# Altium PCB TEBF0808ASCII.PcbDoc (part 5 of 10) (continued)
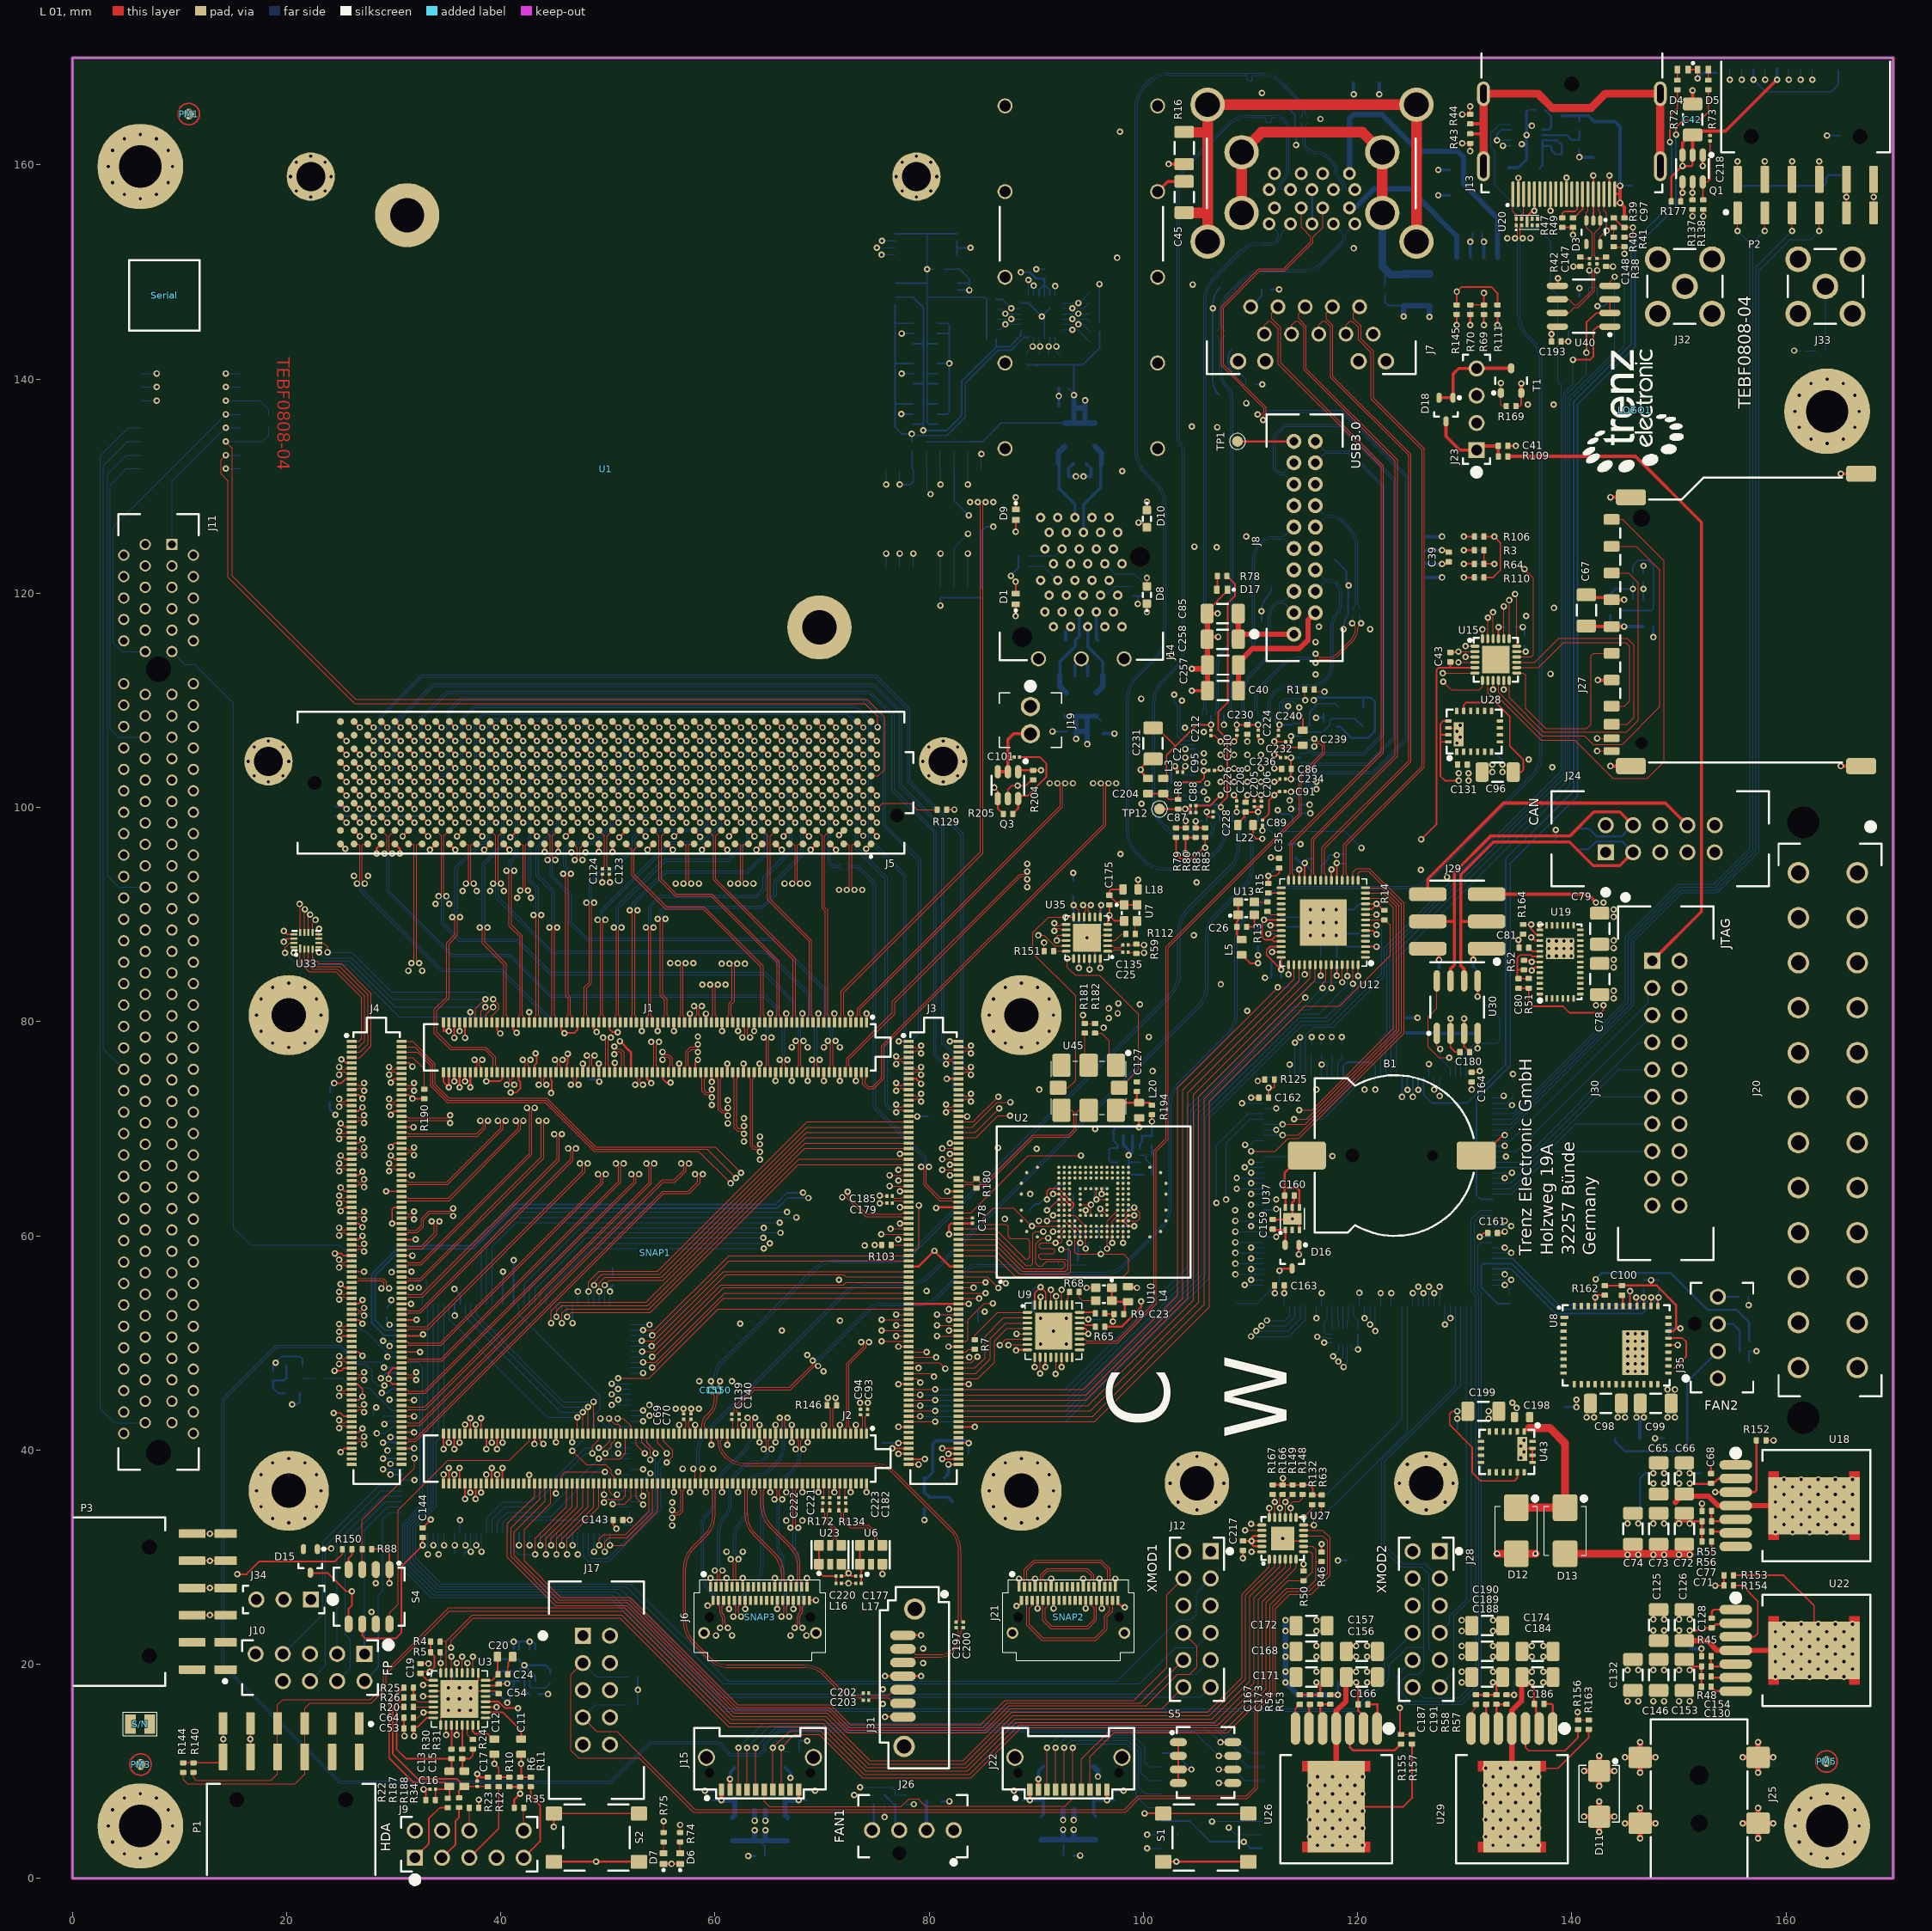
[diagram p0: L 01 view]
## Nets (pads, with @x,y where several pads share a name; then routed paths per layer and width w, separated by ;. In a path a pad name is that pad's centre, name@x,y a point inside that pad or via, vN(x,y) a via of type N, cw(c..) or ccw(c..) an arc to the next point about the centre after c; other vN are vias at no path point) (continued)
B66_L14_P: J1.148 J5.K16 | length 50.2
  L 01 w0.1: v1(37.545,76.43) 37.795,76.18 37.795,75.923 37.655,75.783 J1.148@37.655,75.268
  L 01 w0.2: J5.K16@55.516,108.015 v1(56.065,107.466)
  L 12 S w0.08: v1(37.545,76.43) 37.805,76.69 37.805,86.995 37.3,87.5 37.15,87.65 37.15,90.233 38.3,91.383 38.3,93.6 39.8,95.1 40.9,95.1 42.1,96.3 42.1,97.183 43.017,98.1 51.217,98.1 51.52,98.403 51.52,102.703 51.917,103.1 53.8,103.1 54,103.3 54,107.9 54.36,108.26 55.223,108.26 55.53,107.952 55.53,107.6 55.665,107.466 v1(56.065,107.466)
B66_L15_N: J1.136 J5.E19 | length 39
  L 01 w0.1: v1(40.545,74.106) 40.795,74.356 40.795,74.613 40.655,74.753 J1.136@40.655,75.268
  L 01 w0.2: J5.E19@51.706,101.665 v1(52.255,101.116)
  L 12 S w0.08: v1(40.545,74.106) 40.805,74.366 40.805,92.788 42.8,94.783 42.8,95.811 43.689,96.7 51.534,96.7 52.79,97.956 52.79,100.581 v1(52.255,101.116)
B66_L15_P: J1.134 J5.E18 | length 39
  L 01 w0.1: J1.134@41.155,75.268 41.155,74.753 41.015,74.613 41.015,74.356 v1(41.265,74.106)
  L 01 w0.2: J5.E18@52.976,101.665 v1(53.525,101.116)
  L 12 S w0.08: v1(41.265,74.106) 41.005,74.366 41.005,92.705 43,94.7 43,95.728 43.772,96.5 51.617,96.5 52.99,97.873 52.99,100.581 v1(53.525,101.116)
B66_L16_N: J1.122 J5.F13 | length 40
  L 01 w0.1: J1.122@44.155,75.268 44.155,74.753 44.015,74.613 44.015,74.356 v1(44.265,74.106)
  L 01 w0.2: J5.F13@59.326,102.935 v1(59.875,102.386)
  L 12 S w0.08: v1(44.265,74.106) 44.005,74.366 44.005,86.305 47,89.3 47,90.917 48.033,91.95 51.183,91.95 55.833,96.6 56.583,96.6 57.783,97.8 58.983,97.8 59.34,98.158 59.34,101.851 v1(59.875,102.386)
B66_L16_P: J1.124 J5.F14 | length 40
  L 01 w0.1: v1(43.545,74.106) 43.795,74.356 43.795,74.613 43.655,74.753 J1.124@43.655,75.268
  L 01 w0.2: J5.F14@58.056,102.935 v1(58.605,102.386)
  L 12 S w0.08: v1(43.545,74.106) 43.805,74.366 43.805,86.388 46.8,89.383 46.8,91 47.95,92.15 51.1,92.15 55.75,96.8 56.5,96.8 57.7,98 58.9,98 59.14,98.24 59.14,101.851 v1(58.605,102.386)
B66_L17_N: J1.107 J5.K14 | length 37.3
  L 01 w0.1: J1.107@47.655,79.938 47.655,80.453 47.795,80.593 47.795,83.206 48.25,83.661 48.25,90.85 v1(48,91.1)
  L 01 w0.2: J5.K14@58.056,108.015 v1(58.605,107.466)
  L 16 w0.1: v1(48,91.1) 48.25,91.35 48.25,93.05 49.411,94.211 50.302,94.211 52.3,96.209 52.3,97.2 53.12,98.02 58.72,98.02 59.13,98.43 59.13,106.941 v1(58.605,107.466)
B66_L17_P: J1.105 J5.K13 | length 37.3
  L 01 w0.1: J1.105@48.155,79.938 48.155,80.453 48.015,80.593 48.015,83.115 48.47,83.57 48.47,90.85 v1(48.72,91.1)
  L 01 w0.2: J5.K13@59.326,108.015 v1(59.875,107.466)
  L 16 w0.1: v1(48.72,91.1) 48.47,91.35 48.47,92.959 49.502,93.991 50.393,93.991 52.52,96.118 52.52,97.109 53.211,97.8 58.811,97.8 59.35,98.339 59.35,106.941 v1(59.875,107.466)
B66_L18_N: J1.131 J5.K20 | length 39.1
  L 01 w0.1: v1(40.53,94.1) 40.78,93.85 40.78,88.92 41.795,87.905 41.795,80.593 41.655,80.453 J1.131@41.655,79.938
  L 01 w0.2: J5.K20@50.436,108.015 v1(50.985,107.466)
  L 16 w0.1: v1(40.53,94.1) 40.78,94.35 40.78,94.98 41.38,95.58 41.38,103.891 41.889,104.4 51.2,104.4 51.51,104.71 51.51,106.941 v1(50.985,107.466)
B66_L18_P: J1.129 J5.K19 | length 39.1
  L 01 w0.1: v1(41.25,94.1) 41,93.85 41,89.011 42.015,87.996 42.015,80.593 42.155,80.453 J1.129@42.155,79.938
  L 01 w0.2: J5.K19@51.706,108.015 v1(52.255,107.466)
  L 16 w0.1: v1(41.25,94.1) 41,94.35 41,94.889 41.6,95.489 41.6,103.8 41.98,104.18 51.291,104.18 51.73,104.619 51.73,106.941 v1(52.255,107.466)
B66_L19_N: J1.123 J5.J18 | length 37.6
  L 01 w0.1: 43.515,89.65 43.515,80.593 43.655,80.453 J1.123@43.655,79.938 ; 43.515,89.7 v1(43.765,89.95)
  L 01 w0.2: J5.J18@52.976,106.745 v1(53.525,106.196)
  L 16 w0.1: 43.515,90.15 43.515,90.2 ; v1(43.765,89.95) 43.515,90.2 ; v1(53.525,106.196) 53,105.671 53,103.289 52.611,102.9 43.149,102.9 42.82,102.571 42.82,93.18 43.515,92.485 43.515,90.2
B66_L19_P: J1.125 J5.J19 | length 37.6
  L 01 w0.1: v1(43.045,89.95) 43.295,89.7 ; J1.125@43.155,79.938 43.155,80.453 43.295,80.593 43.295,89.65
  L 01 w0.2: J5.J19@51.706,106.745 v1(52.255,106.196)
  L 16 w0.1: v1(43.045,89.95) 43.295,90.2 ; 43.295,90.15 43.295,90.2 ; v1(52.255,106.196) 52.78,105.671 52.78,103.38 52.52,103.12 43.058,103.12 42.6,102.662 42.6,93.089 43.295,92.394 43.295,90.2
B66_L20_N: J1.111 J5.E15 | length 31.6
  L 01 w0.1: v1(46.55,93.8) 46.3,93.55 46.3,82.461 46.515,82.246 46.515,80.593 46.655,80.453 J1.111@46.655,79.938
  L 01 w0.2: J5.E15@56.786,101.665 v1(57.335,101.116)
  L 16 w0.1: v1(46.55,93.8) 46.3,94.05 46.3,94.411 46.1,94.611 46.1,96.059 46.641,96.6 48.811,96.6 50.5,98.289 50.5,98.789 50.791,99.08 56.38,99.08 56.81,99.51 56.81,100.591 v1(57.335,101.116)
B66_L20_P: J1.113 J5.E16 | length 31.6
  L 01 w0.1: v1(45.83,93.8) 46.08,93.55 46.08,82.37 46.295,82.155 46.295,80.593 46.155,80.453 J1.113@46.155,79.938
  L 01 w0.2: J5.E16@55.516,101.665 v1(56.065,101.116)
  L 16 w0.1: v1(45.83,93.8) 46.08,94.05 46.08,94.32 45.88,94.52 45.88,96.15 46.55,96.82 48.72,96.82 50.28,98.38 50.28,98.88 50.7,99.3 56.289,99.3 56.59,99.602 56.59,100.591 v1(56.065,101.116)
B66_L21_N: J1.104 J5.E9 | length 34.3
  L 01 w0.1: J1.104@48.655,75.268 48.655,75.783 48.515,75.923 48.515,76.58 v1(48.765,76.83)
  L 01 w0.2: J5.E9@64.406,101.665 v1(64.955,101.116)
  L 12 S w0.08: v1(48.765,76.83) 48.505,77.09 48.505,81.523 60.017,93.034 60.017,93.717 62.9,96.6 63.983,96.6 64.42,97.038 64.42,100.581 v1(64.955,101.116)
B66_L21_P: J1.106 J5.E10 | length 34.3
  L 01 w0.1: v1(48.045,76.83) 48.295,76.58 48.295,75.923 48.155,75.783 J1.106@48.155,75.268
  L 01 w0.2: J5.E10@63.136,101.665 v1(63.685,101.116)
  L 12 S w0.08: v1(48.045,76.83) 48.305,77.09 48.305,81.605 59.817,93.117 59.817,93.8 62.817,96.8 63.9,96.8 64.22,97.12 64.22,100.581 v1(63.685,101.116)
B66_L22_N: J1.117 J5.J15 | length 40
  L 01 w0.1: J1.117@45.155,79.938 45.155,80.453 45.015,80.593 45.015,88.55 v1(45.265,88.8)
  L 01 w0.2: J5.J15@56.786,106.745 v1(57.335,106.196)
  L 16 w0.1: v1(45.265,88.8) 45.015,89.05 45.015,92.196 43.52,93.691 43.52,96.22 45.42,98.12 45.42,101.42 45.68,101.68 56.491,101.68 56.81,101.999 56.81,105.671 v1(57.335,106.196)
B66_L22_P: J1.119 J5.J16 | length 40
  L 01 w0.1: v1(44.545,88.8) 44.795,88.55 44.795,80.593 44.655,80.453 J1.119@44.655,79.938
  L 01 w0.2: J5.J16@55.516,106.745 v1(56.065,106.196)
  L 16 w0.1: v1(44.545,88.8) 44.795,89.05 44.795,92.105 43.3,93.6 43.3,96.311 45.2,98.211 45.2,101.511 45.589,101.9 56.4,101.9 56.59,102.09 56.59,105.671 v1(56.065,106.196)
B66_L23_N: J1.110 J5.F10 | length 39
  L 01 w0.1: J1.110@47.155,75.268 47.155,74.753 47.015,74.613 47.015,74.356 v1(47.265,74.106)
  L 01 w0.2: J5.F10@63.136,102.935 v1(63.685,102.386)
  L 12 S w0.08: v1(47.265,74.106) 47.005,74.366 47.005,83.223 54.8,91.017 54.8,92.4 56.3,93.9 58,93.9 60.7,96.6 61.772,96.6 63.15,97.979 63.15,101.851 v1(63.685,102.386)
B66_L23_P: J1.112 J5.F11 | length 39
  L 01 w0.1: v1(46.545,74.106) 46.795,74.356 46.795,74.613 46.655,74.753 J1.112@46.655,75.268
  L 01 w0.2: J5.F11@61.866,102.935 v1(62.415,102.386)
  L 12 S w0.08: v1(46.545,74.106) 46.805,74.366 46.805,83.305 54.6,91.1 54.6,92.483 56.217,94.1 57.917,94.1 60.617,96.8 61.689,96.8 62.95,98.062 62.95,101.851 v1(62.415,102.386)
B66_L24_N: J1.80 J5.F19 | length 31.4
  L 01 w0.1: J1.80@54.655,75.268 54.655,75.783 54.515,75.923 54.515,77.853 v1(54.765,78.103)
  L 01 w0.2: J5.F19@51.706,102.935 v1(52.255,102.386)
  L 14 S w0.08: v1(52.255,102.386) 51.72,101.851 51.72,98.062 52.8,96.983 52.8,94.183 56.2,90.783 56.2,88.997 53.995,86.793 53.995,79.166 54.505,78.656 54.505,78.363 v1(54.765,78.103)
B66_L24_P: J1.82 J5.F20 | length 31.4
  L 01 w0.1: v1(54.045,78.103) 54.295,77.853 54.295,75.923 54.155,75.783 J1.82@54.155,75.268
  L 01 w0.2: J5.F20@50.436,102.935 v1(50.985,102.386)
  L 14 S w0.08: v1(50.985,102.386) 51.52,101.851 51.52,97.98 52.6,96.9 52.6,94.1 56,90.7 56,89.08 53.795,86.875 53.795,79.083 54.305,78.573 54.305,78.363 v1(54.045,78.103)
B66_T0: J1.147 U33.5 | length 20.3
  L 01 w0.1: v1(23.025,86.475) U33.5@23.025,86.95 ; J1.147@37.655,79.938 37.655,81.205 v1(38.55,82.1)
  L 16 w0.1: v1(23.025,86.475) 23.55,85.95 26.075,85.95 29.925,82.1 v1(38.55,82.1)
B66_T1: J1.145 U33.16 | length 22.1
  L 01 w0.1: v1(20.675,86.425) U33.16@20.675,86.95 ; J1.145@38.155,79.938 38.155,80.955 v1(38.55,81.35)
  L 16 w0.1: v1(20.675,86.425) 21.45,85.65 25.825,85.65 30.125,81.35 v1(38.55,81.35)
B66_T2: J1.143 U33.15 | length 25.5
  L 01 w0.1: v1(19.85,86.425) 19.85,86.914 20.286,87.35 U33.15@20.675,87.35 ; J1.143@38.655,79.938 38.655,80.705 v1(39.3,81.35)
  L 16 w0.1: v1(19.85,86.425) 20.95,85.325 25.625,85.325 30.511,80.439 38.389,80.439 v1(39.3,81.35)
B66_T3: J1.141 U33.6 | length 21.4
  L 01 w0.1: U33.6@23.025,87.35 23.45,87.35 23.825,86.975 v1(23.825,86.475) ; J1.141@39.155,79.938 39.155,80.505 39.8,81.15 39.8,81.6 v1(39.3,82.1)
  L 16 w0.1: v1(23.825,86.475) 26.125,86.475 29.825,82.775 38.625,82.775 v1(39.3,82.1)
B128_RX0_N: J2.46 J6.A15 | length 11
  L 01 w0.1: J2.46@63.155,36.868 63.155,36.353 63.015,36.213 63.015,34.012 ccw(c65.555,34.012) 63.759,32.216 65.701,30.274 cw(c63.905,28.478) 66.445,28.478 66.445,27.84 66.585,27.7 J6.A15@66.585,27.225
B128_RX0_P: J2.48 J6.A14 | length 10.9
  L 01 w0.1: J2.48@62.655,36.868 62.655,36.353 62.795,36.213 62.795,34.012 ccw(c65.555,34.012) 63.604,32.06 65.417,30.247 cw(c63.465,28.296) 66.225,28.296 66.225,27.84 66.085,27.7 J6.A14@66.085,27.225
B128_RX1_N: J2.40 J6.A18 | length 11
  L 01 w0.1: J2.40@64.655,36.868 64.655,36.353 64.515,36.213 64.515,34.853 ccw(c67.275,34.853) 65.324,32.901 67.201,31.024 cw(c65.405,29.228) 67.945,29.228 67.945,27.84 68.085,27.7 J6.A18@68.085,27.225
B128_RX1_P: J2.42 J6.A17 | length 11
  L 01 w0.1: J2.42@64.155,36.868 64.155,36.353 64.295,36.213 64.295,34.671 ccw(c66.835,34.671) 65.039,32.875 66.917,30.997 cw(c64.965,29.046) 67.725,29.046 67.725,27.84 67.585,27.7 J6.A17@67.585,27.225
B128_RX2_N: J2.34 J6.B15 | length 14.5
  L 01 w0.1: J2.34@66.155,36.868 66.155,36.353 66.015,36.213 66.015,35.825 ccw(c66.438,35.825) 66.139,35.526 v1(66.265,35.4) ; J6.B15@66.815,25.975 66.815,25.5 66.675,25.36 66.675,24.875 ccw(c67.097,24.875) 66.799,24.576 v1(66.925,24.45)
  L 16 w0.1: v1(66.265,35.4) ccw(c66.869,34.796) 66.015,34.796 66.015,30.846 ccw(c66.646,30.846) 66.2,30.4 cw(c65.609,29.809) 66.445,29.809 66.445,27.677 ccw(c66.652,27.677) 66.506,27.531 cw(c66.096,27.121) 66.675,27.121 66.675,25.054 ccw(c67.529,25.054) v1(66.925,24.45)
B128_RX2_P: J2.36 J6.B14 | length 14.5
  L 01 w0.1: v1(65.545,35.4) 65.672,35.526 ccw(c65.373,35.825) 65.795,35.825 65.795,36.213 65.655,36.353 J2.36@65.655,36.868 ; v1(66.205,24.45) 66.331,24.576 ccw(c66.033,24.875) 66.455,24.875 66.455,25.36 66.315,25.5 J6.B14@66.315,25.975
  L 16 w0.1: v1(65.545,35.4) cw(c64.942,34.796) 65.795,34.796 65.795,30.846 ccw(c66.646,30.846) 66.044,30.244 cw(c65.609,29.809) 66.225,29.809 66.225,27.677 ccw(c66.652,27.677) 66.35,27.375 cw(c66.096,27.121) 66.455,27.121 66.455,25.054 cw(c65.601,25.054) v1(66.205,24.45)
B128_RX3_N: J2.28 J6.B18 | length 16.9
  L 01 w0.1: J2.28@67.655,36.868 67.655,36.353 67.515,36.213 67.515,33 v1(67.765,32.75) ; 67.9,24.248 67.9,23.775 ccw(c68.202,23.775) 67.988,23.562 v1(68.15,23.4) ; 67.9,24.25 67.9,24.365 cw(c68.26,24.365) 68.006,24.619 ccw(c67.597,25.028) 68.175,25.028 68.175,25.36 68.315,25.5 J6.B18@68.315,25.975
  L 16 w0.1: v1(67.765,32.75) ccw(c68.369,32.146) 67.515,32.146 67.515,30.775 ccw(c67.975,30.775) 67.65,30.45 cw(c66.938,29.738) 67.945,29.738 67.945,27.218 ccw(c68.493,27.218) 68.106,26.831 cw(c67.709,26.434) 68.27,26.434 68.27,25.27 cw(c67.519,25.27) 68.05,24.739 ccw(c68.412,24.377) 67.9,24.377 67.9,24.004 ccw(c68.754,24.004) v1(68.15,23.4)
B128_RX3_P: J2.30 J6.B17 | length 16.9
  L 01 w0.1: v1(67.045,32.75) 67.295,33 67.295,36.213 67.155,36.353 J2.30@67.155,36.868 ; v1(67.43,23.4) 67.592,23.562 ccw(c67.378,23.775) 67.68,23.775 67.68,24.248 ; 67.68,24.25 67.68,24.365 cw(c68.26,24.365) 67.85,24.775 ccw(c67.597,25.028) 67.955,25.028 67.955,25.36 67.815,25.5 J6.B17@67.815,25.975
  L 16 w0.1: v1(67.045,32.75) cw(c66.442,32.146) 67.295,32.146 67.295,30.775 ccw(c67.975,30.775) 67.494,30.294 cw(c66.938,29.738) 67.725,29.738 67.725,27.218 ccw(c68.493,27.218) 67.95,26.675 cw(c67.709,26.434) 68.05,26.434 68.05,25.27 cw(c67.519,25.27) 67.894,24.894 ccw(c68.412,24.377) 67.68,24.377 67.68,24.004 cw(c66.826,24.004) v1(67.43,23.4)
B128_TX0_N: J2.43 J6.B3 | length 26.4
  L 01 w0.1: J6.B3@60.815,25.975 60.815,25.5 60.675,25.36 60.675,24.856 ccw(c60.931,24.856) 60.75,24.675 cw(c60.279,24.204) 60.945,24.204 60.945,24.175 ; 60.95,24.175 60.95,23.85 ccw(c61.433,23.85) 61.091,23.509 v1(61.2,23.4) ; J2.43@63.655,41.538 63.655,42.053 63.515,42.193 63.515,42.756 v1(63.765,43.006)
  L 16 w0.1: v1(61.2,23.4) 61.091,23.509 cw(c61.433,23.85) 60.95,23.85 60.95,24.232 ccw(c60.457,24.232) 60.806,24.581 cw(c61.121,24.896) 60.675,24.896 60.675,25.108 ccw(c58.857,25.108) 60.142,26.394 59.649,26.887 cw(c61.337,28.575) 58.95,28.575 58.95,33.17 cw(c59.806,33.17) 59.201,33.775 59.595,34.169 ccw(c58.579,35.185) 60.015,35.185 60.015,35.957 cw(c62.543,35.957) 60.756,37.744 62.707,39.696 ccw(c60.755,41.647) 63.515,41.647 63.515,42.675 cw(c63.71,42.675) 63.572,42.813 v1(63.765,43.006)
B128_TX0_P: J2.45 J6.B2 | length 26.4
  L 01 w0.1: J6.B2@60.315,25.975 60.315,25.5 60.455,25.36 60.455,24.856 ccw(c60.931,24.856) 60.594,24.519 cw(c60.279,24.204) 60.725,24.204 60.725,24.175 ; v1(60.48,23.4) 60.589,23.509 ccw(c60.247,23.85) 60.73,23.85 60.73,24.204 ; v1(63.045,43.006) 63.295,42.756 63.295,42.193 63.155,42.053 J2.45@63.155,41.538
  L 16 w0.1: v1(60.48,23.4) 60.589,23.509 ccw(c60.247,23.85) 60.73,23.85 60.73,24.232 ccw(c60.457,24.232) 60.65,24.425 cw(c61.121,24.896) 60.455,24.896 60.455,25.108 ccw(c58.857,25.108) 59.987,26.238 59.494,26.731 cw(c61.337,28.575) 58.73,28.575 58.73,33.17 cw(c59.806,33.17) 59.045,33.931 59.439,34.325 ccw(c58.579,35.185) 59.795,35.185 59.795,35.957 cw(c62.543,35.957) 60.6,37.9 62.551,39.851 ccw(c60.755,41.647) 63.295,41.647 63.295,42.675 ccw(c63.1,42.675) 63.238,42.813 v1(63.045,43.006)
B128_TX1_N: J2.37 J6.A3 | length 17
  L 01 w0.1: v1@60.551,28.606 ccw(c60.807,28.35) 60.445,28.35 60.445,27.84 60.585,27.7 J6.A3@60.585,27.225 ; v1@60.551,28.606 v1(60.695,28.75) ; J2.37@65.155,41.538 65.155,41.023 65.015,40.883 65.015,40.32 v1(65.265,40.07)
  L 16 w0.1: v1(60.695,28.75) 60.675,28.77 cw(c61.23,29.325) 60.445,29.325 60.445,32.366 cw(c62.359,32.366) 61.006,33.719 ccw(c59.752,34.973) 61.525,34.973 61.525,36.365 cw(c63.419,36.365) 62.08,37.705 62.65,38.275 cw(c63.869,37.056) 63.869,38.78 63.9,38.78 ccw(c63.9,39.905) 64.696,39.11 64.831,39.244 ccw(c64.384,39.691) 65.015,39.691 65.015,39.725 cw(c65.245,39.725) 65.083,39.887 v1(65.265,40.07)
B128_TX1_P: J2.39 J6.A2 | length 17
  L 01 w0.1: v1(59.975,28.75) v1@60.119,28.606 ; J6.A2@60.085,27.225 60.085,27.7 60.225,27.84 60.225,28.35 ccw(c59.863,28.35) v1@60.119,28.606 ; v1(64.545,40.07) 64.795,40.32 64.795,40.883 64.655,41.023 J2.39@64.655,41.538
  L 16 w0.1: v1(59.975,28.75) 59.995,28.77 ccw(c59.44,29.325) 60.225,29.325 60.225,32.366 cw(c62.359,32.366) 60.85,33.875 ccw(c59.752,34.973) 61.305,34.973 61.305,36.365 cw(c63.419,36.365) 61.924,37.86 62.495,38.431 cw(c63.869,37.056) 63.869,39 63.9,39 ccw(c63.9,39.905) 64.54,39.265 64.675,39.4 ccw(c64.384,39.691) 64.795,39.691 64.795,39.725 ccw(c64.566,39.725) 64.728,39.887 v1(64.545,40.07)
B128_TX2_N: J2.31 J6.A6 | length 19.8
  L 01 w0.1: v1@62.033,29.638 ccw(c62.247,29.425) 61.945,29.425 61.945,27.84 62.085,27.7 J6.A6@62.085,27.225 ; v1@62.033,29.638 v1(62.195,29.8) ; J2.31@66.655,41.538 66.655,42.053 66.515,42.193 66.515,42.756 v1(66.765,43.006)
  L 16 w0.1: v1(62.195,29.8) 62.104,29.891 cw(c62.488,30.275) 61.945,30.275 61.945,31.876 cw(c63.774,31.876) 62.481,33.169 ccw(c61.189,34.461) 63.015,34.461 63.015,36.355 cw(c64.248,36.355) 63.376,37.226 63.432,37.282 cw(c64.2,36.514) 64.2,37.6 ccw(c64.2,38.774) 65.03,37.944 65.881,38.794 ccw(c64.348,40.327) 66.515,40.327 66.515,42.575 cw(c66.952,42.575) 66.643,42.883 v1(66.765,43.006)
B128_TX2_P: J2.33 J6.A5 | length 19.8
  L 01 w0.1: v1(61.475,29.8) 61.637,29.638 cw(c61.423,29.425) 61.725,29.425 61.725,27.84 61.585,27.7 J6.A5@61.585,27.225 ; v1(66.045,43.006) 66.295,42.756 66.295,42.193 66.155,42.053 J2.33@66.155,41.538
  L 16 w0.1: v1(61.475,29.8) 61.566,29.891 ccw(c61.182,30.275) 61.725,30.275 61.725,31.876 cw(c63.774,31.876) 62.325,33.325 ccw(c61.189,34.461) 62.795,34.461 62.795,36.355 cw(c64.248,36.355) 63.221,37.382 63.276,37.437 cw(c64.2,36.514) 64.2,37.82 ccw(c64.2,38.774) 64.874,38.099 65.725,38.95 ccw(c64.348,40.327) 66.295,40.327 66.295,42.575 ccw(c65.859,42.575) 66.168,42.883 v1(66.045,43.006)
B128_TX3_N: J2.25 J6.B6 | length 21.8
  L 01 w0.1: J6.B6@62.315,25.975 62.315,25.5 62.175,25.36 62.175,24.925 ccw(c62.718,24.925) 62.334,24.541 v1(62.425,24.45) ; J2.25@68.155,41.538 68.155,41.023 68.015,40.883 68.015,40.32 v1(68.265,40.07)
  L 16 w0.1: v1(62.425,24.45) 62.246,24.629 cw(c62.416,24.8) 62.175,24.8 62.175,25.386 cw(c63.114,25.386) 62.45,26.05 63.707,27.307 ccw(c61.755,29.259) 64.515,29.259 64.515,36.1 cw(c65.277,36.1) 64.738,36.638 64.9,36.8 cw(c65.335,36.365) 65.335,36.98 65.725,36.98 ccw(c65.725,38.286) 66.649,37.363 67.347,38.06 ccw(c65.732,39.675) 68.015,39.675 cw(c68.365,39.675) 68.118,39.923 v1(68.265,40.07)
B128_TX3_P: J2.27 J6.B5 | length 21.8
  L 01 w0.1: v1(61.705,24.45) 61.796,24.541 ccw(c61.412,24.925) 61.955,24.925 61.955,25.36 61.815,25.5 J6.B5@61.815,25.975 ; v1(67.545,40.07) 67.795,40.32 67.795,40.883 67.655,41.023 J2.27@67.655,41.538
  L 16 w0.1: v1(61.705,24.45) 61.884,24.629 ccw(c61.714,24.8) 61.955,24.8 61.955,25.386 cw(c63.114,25.386) 62.294,26.206 63.551,27.463 ccw(c61.755,29.259) 64.295,29.259 64.295,36.1 cw(c65.277,36.1) 64.583,36.794 64.744,36.956 cw(c65.335,36.365) 65.335,37.2 65.725,37.2 ccw(c65.725,38.286) 66.493,37.518 67.191,38.216 ccw(c65.732,39.675) 67.795,39.675 ccw(c67.445,39.675) 67.693,39.923 v1(67.545,40.07)
B228_CLK0_N: C121.1 J3.60 | length 37.4
  L 01 w0.1: v1(79.975,66.45) 79.725,66.2 79.725,64.85 81.062,63.513 82.085,63.513 82.225,63.653 J3.60@82.74,63.653
  L 16 w0.1: C121.1@72.302,94.826 72.517,94.611 73.339,94.611 75.01,92.94 75.01,72.026 79.725,67.311 79.725,66.7 v1(79.975,66.45)
B228_CLK0_P: C122.1 J3.62 | length 37.4
  L 01 w0.1: v1(79.255,66.45) 79.505,66.2 79.505,64.759 80.971,63.293 82.085,63.293 82.225,63.153 J3.62@82.74,63.153
  L 16 w0.1: C122.1@72.302,94.176 72.517,94.391 72.65,94.391 72.651,94.39 73.249,94.39 74.79,92.849 74.79,71.935 79.505,67.22 79.505,66.7 v1(79.255,66.45)
B228_RX0_N: J1.71 J5.C7 | length 27.7
  L 01 w0.1: v1(56.545,85.45) 56.795,85.2 56.795,80.593 56.655,80.453 J1.71@56.655,79.938
  L 01 w0.2: J5.C7@66.946,99.125 v1(67.495,98.576)
  L 14 S w0.08: v1(56.545,85.45) 56.805,85.71 56.805,86.105 60,89.3 60,92.7 61.3,94 66.6,94 68.022,95.422 68.022,98.049 v1(67.495,98.576) v1@67.487,98.584
B228_RX0_P: J1.69 J5.C6 | length 27.7
  L 01 w0.1: J1.69@57.155,79.938 57.155,80.453 57.015,80.593 57.015,85.2 v1(57.265,85.45)
  L 01 w0.2: J5.C6@68.216,99.125 v1(68.765,98.576)
  L 14 S w0.08: v1(57.265,85.45) 57.005,85.71 57.005,86.023 60.2,89.217 60.2,92.617 61.383,93.8 66.683,93.8 68.222,95.339 68.222,98.049 v1@68.757,98.584
B228_RX1_N: J1.65 J5.A3 | length 26.3
  L 01 w0.1: v1(58.045,81.45) 58.295,81.2 58.295,80.593 58.155,80.453 J1.65@58.155,79.938 ; J5.A3@72.026,96.585 72.416,96.585 72.551,96.45 72.551,92.55 v1(72.301,92.3)
  L 14 S w0.08: v1(58.045,81.45) 58.305,81.71 58.305,81.988 58.717,82.4 63.5,82.4 72.561,91.461 72.561,92.04 v1(72.301,92.3)
B228_RX1_P: J1.63 J5.A2 | length 26.7
  L 01 w0.1: J1.63@58.655,79.938 58.655,80.453 58.515,80.593 58.515,81.2 v1(58.765,81.45) ; 72.935,96.585 J5.A2@73.296,96.585 72.885,96.585 72.771,96.471 72.771,92.55 v1(73.021,92.3)
  L 14 S w0.08: v1(58.765,81.45) 58.505,81.71 58.505,81.905 58.8,82.2 63.583,82.2 72.761,91.378 72.761,92.04 v1(73.021,92.3)
B228_RX2_N: J1.59 J5.A7 | length 22.5
  L 01 w0.1: v1(59.545,83.45) 59.795,83.2 59.795,80.593 59.655,80.453 J1.59@59.655,79.938 ; J5.A7@66.946,96.585 67.336,96.585 67.471,96.45 67.471,93.15 v1(67.221,92.9)
  L 14 S w0.08: v1(59.545,83.45) 59.805,83.71 59.805,84.088 60.217,84.5 63.167,84.5 67.481,88.814 67.481,92.64 v1(67.221,92.9)
B228_RX2_P: J1.57 J5.A6 | length 22.5
  L 01 w0.1: J1.57@60.155,79.938 60.155,80.453 60.015,80.593 60.015,83.2 v1(60.265,83.45) ; v1(67.941,92.9) 67.691,93.15 67.691,96.45 67.826,96.585 J5.A6@68.216,96.585
  L 14 S w0.08: v1(60.265,83.45) 60.005,83.71 60.005,84.005 60.3,84.3 63.25,84.3 67.681,88.731 67.681,92.64 v1(67.941,92.9)
B228_RX3_N: J1.53 J5.A11 | length 18
  L 01 w0.1: J1.53@61.155,79.938 61.155,80.453 61.295,80.593 61.295,81.695 61.595,81.995 61.595,85.153 v1(61.345,85.403) ; J5.A11@61.866,96.585 62.256,96.585 62.391,96.45 62.391,93.15 v1(62.141,92.9)
  L 14 S w0.08: v1(61.345,85.403) 61.605,85.663 61.605,87.155 62.4,87.95 62.4,92.64 ; v1(62.141,92.9) 62.401,92.64
B228_RX3_P: J1.51 J5.A10 | length 18
  L 01 w0.1: J1.51@61.655,79.938 61.655,80.453 61.515,80.593 61.515,81.604 61.815,81.904 61.815,85.153 v1(62.065,85.403) ; v1(62.861,92.9) 62.611,93.15 62.611,96.45 62.746,96.585 J5.A10@63.136,96.585
  L 14 S w0.08: v1(62.065,85.403) 61.805,85.663 61.805,87.073 62.6,87.867 62.6,92.64 ; 62.601,92.64 v1(62.861,92.9)
B228_TX0_N: J1.70 J5.C3 | length 36.8
  L 01 w0.1: J1.70@57.155,75.268 57.155,75.783 57.295,75.923 57.295,77.206 57.709,77.62 58.15,77.62 v1(58.4,77.87)
  L 01 w0.2: J5.C3@72.026,99.125 v1(72.575,98.576)
  L 14 S w0.08: v1(58.4,77.87) 58.66,77.61 65.71,77.61 68.75,80.65 68.75,83.293 74.3,88.843 74.3,93.9 73.11,95.09 73.11,98.041 v1(72.575,98.576)
B228_TX0_P: J1.68 J5.C2 | length 36.8
  L 01 w0.1: J1.68@57.655,75.268 57.655,75.783 57.515,75.923 57.515,77.115 57.8,77.4 58.15,77.4 v1(58.4,77.15)
  L 01 w0.2: J5.C2@73.296,99.125 v1(73.845,98.576)
  L 14 S w0.08: v1(58.4,77.15) 58.66,77.41 65.793,77.41 68.95,80.567 68.95,83.21 74.5,88.76 74.5,93.983 73.31,95.172 73.31,98.041 v1(73.845,98.576)
B228_TX1_N: J1.64 J5.A23 | length 36.7
  L 01 w0.1: J5.A23@46.626,96.585 46.676,96.535 46.816,96.535 47.151,96.2 47.151,95.35 v1(46.901,95.1) ; J1.64@58.655,75.268 58.655,74.753 58.795,74.613 58.795,73.494 59.109,73.18 59.45,73.18 v1(59.7,72.93)
  L 14 S w0.08: v1(46.901,95.1) 47.161,94.84 47.161,90.264 47.9,89.525 47.9,78.75 49.825,76.825 49.825,75.495 52.13,73.19 52.31,73.19 ; 52.227,73.19 59.44,73.19 v1(59.7,72.93)
B228_TX1_P: J1.62 J5.A22 | length 36.7
  L 01 w0.1: v1(47.621,95.1) 47.371,95.35 47.371,96.2 47.706,96.535 47.846,96.535 J5.A22@47.896,96.585 ; J1.62@59.155,75.268 59.155,74.753 59.015,74.613 59.015,73.585 59.2,73.4 59.45,73.4 v1(59.7,73.65)
  L 14 S w0.08: v1(47.621,95.1) 47.361,94.84 47.361,90.347 48.1,89.608 48.1,81.3 48.1,81.176 48.393,80.883 48.393,80.585 48.1,80.292 48.1,79.85 48.1,78.833 50.025,76.908 50.025,75.578 52.213,73.39 52.31,73.39 57.55,73.39 57.644,73.39 57.74,73.486 57.74,73.66 57.836,73.756 58.028,73.756 58.124,73.66 58.124,73.486 58.22,73.39 58.508,73.39 58.7,73.39 59.44,73.39 v1(59.7,73.65)
B228_TX2_N: J1.58 J5.A27 | length 44.5
  L 01 w0.1: J5.A27@41.546,96.585 41.936,96.585 42.071,96.45 42.071,92.5 v1(41.821,92.25) ; J1.58@60.155,75.268 60.155,74.753 60.295,74.613 60.295,71.794 60.609,71.48 60.95,71.48 v1(61.2,71.23)
  L 14 S w0.08: v1(41.821,92.25) 42.081,91.99 42.081,89.019 46.805,84.295 46.805,75.612 50.927,71.49 60.94,71.49 v1(61.2,71.23)
B228_TX2_P: J1.56 J5.A26 | length 44.5
  L 01 w0.1: v1(42.541,92.25) 42.291,92.5 42.291,96.45 42.426,96.585 J5.A26@42.816,96.585 ; J1.56@60.655,75.268 60.655,74.753 60.515,74.613 60.515,71.885 60.7,71.7 60.95,71.7 v1(61.2,71.95)
  L 14 S w0.08: v1(42.541,92.25) 42.281,91.99 42.281,89.102 47.005,84.377 47.005,78.05 47.005,77.994 47.073,77.926 47.248,77.751 47.248,77.517 47.073,77.342 47.005,77.274 47.005,77.05 47.005,75.695 51.01,71.69 57.65,71.69 57.865,71.69 58.169,71.69 58.299,71.82 58.299,71.953 58.429,72.083 58.603,72.083 58.733,71.953 58.733,71.82 58.863,71.69 58.95,71.69 60.94,71.69 v1(61.2,71.95)
B228_TX3_N: J1.52 J5.A31 | length 52.2
  L 01 w0.1: J5.A31@36.466,96.585 36.856,96.585 36.991,96.45 36.991,93.15 v1(36.741,92.9) ; J1.52@61.655,75.268 61.655,74.753 61.795,74.613 61.795,70.094 62.109,69.78 62.45,69.78 v1(62.7,69.53)
  L 14 S w0.08: v1(36.741,92.9) 37.001,92.64 37.001,85.274 44.1,78.175 44.1,75.35 49.66,69.79 62.44,69.79 v1(62.7,69.53)
B228_TX3_P: J1.50 J5.A30 | length 52
  L 01 w0.1: v1(37.461,92.9) 37.211,93.15 37.211,96.45 37.346,96.585 J5.A30@37.736,96.585 ; J1.50@62.155,75.268 62.155,74.753 62.015,74.613 62.015,70.185 62.2,70 62.45,70 v1(62.7,70.25)
  L 14 S w0.08: v1(37.461,92.9) 37.201,92.64 37.201,85.357 44.3,78.258 44.3,75.433 44.433,75.3 44.509,75.223 44.994,75.223 45.17,75.048 45.17,74.563 45.5,74.233 49.743,69.99 58.9,69.99 59.049,69.99 59.342,70.283 59.59,70.283 59.883,69.99 60.3,69.99 62.44,69.99 v1(62.7,70.25)
B229_CLK0_N: C123.1 J3.65 | length 49.7
  L 01 w0.1: C123.1@50.13,93.76 50.13,93.055 v1(50.185,93) v1@50.185,93.21 ; v1(72.389,64.114) 72.389,63.761 74.137,62.013 77.415,62.013 77.555,62.153 J3.65@78.07,62.153
  L 14 S w0.08: v1(50.185,93) 49.925,92.74 49.925,91.475 52.495,88.905 52.495,77.837 54.833,75.5 60.636,75.5 72.022,64.114 v1(72.389,64.114)
B229_CLK0_P: C124.1 J3.67 | length 50.1
  L 01 w0.1: v1@49.465,93.21 v1(49.465,93) 49.486,93.021 C124.1@49.486,93.761 ; v1(71.88,63.605) 72.234,63.605 74.046,61.793 77.415,61.793 77.555,61.653 J3.67@78.07,61.653
  L 14 S w0.08: v1(49.465,93) 49.725,92.74 49.725,91.392 52.295,88.822 52.295,77.755 54.75,75.3 60.553,75.3 71.484,64.369 71.88,63.973 v1(71.88,63.605)
B229_RX0_N: J1.47 J5.A15 | length 27.3
  L 01 w0.1: J5.A15@56.786,96.585 57.176,96.585 57.311,96.45 57.311,93.15 v1(57.061,92.9) ; v1(62.545,78.536) 62.795,78.786 62.795,79.283 62.655,79.423 J1.47@62.655,79.938
  L 14 S w0.08: v1(57.061,92.9) 57.321,92.64 57.321,88.321 55,86 55,82.1 57.5,79.6 62.558,79.6 62.805,79.353 62.805,79.036 v1@62.545,78.776
B229_RX0_P: J1.45 J5.A14 | length 27.3
  L 01 w0.1: v1(57.781,92.9) 57.531,93.15 57.531,96.45 57.666,96.585 J5.A14@58.056,96.585 ; J1.45@63.155,79.938 63.155,79.423 63.015,79.283 63.015,78.786 v1(63.265,78.536)
  L 14 S w0.08: v1(57.781,92.9) 57.521,92.64 57.521,88.238 55.2,85.917 55.2,82.183 57.583,79.8 62.641,79.8 63.005,79.436 63.005,79.036 v1@63.265,78.776
B229_RX1_N: J1.41 J5.A19 | length 24
  L 01 w0.1: J5.A19@51.706,96.585 52.231,96.06 52.231,93.658 55.389,90.5 58.889,90.5 64.295,85.094 64.295,80.593 64.155,80.453 J1.41@64.155,79.938
B229_RX1_P: J1.39 J5.A18 | length 24
  L 01 w0.1: J5.A18@52.976,96.585 52.451,96.06 52.451,93.749 55.48,90.72 58.98,90.72 64.515,85.185 64.515,80.593 64.655,80.453 J1.39@64.655,79.938
B229_RX2_N: J1.35 J5.B17 | length 24.7
  L 01 w0.1: J5.B17@54.246,97.855 54.771,97.33 54.771,93.229 56.3,91.7 59.628,91.7 65.795,85.532 65.795,80.593 65.655,80.453 J1.35@65.655,79.938
B229_RX2_P: J1.33 J5.B16 | length 24.7
  L 01 w0.1: J5.B16@55.516,97.855 54.991,97.33 54.991,93.32 56.391,91.92 59.719,91.92 66.015,85.624 66.015,80.593 66.155,80.453 J1.33@66.155,79.938
B229_RX3_N: J1.29 J5.B13 | length 21.3
  L 01 w0.1: J5.B13@59.326,97.855 59.851,97.33 59.851,93.227 67.295,85.782 67.295,80.593 67.155,80.453 J1.29@67.155,79.938
B229_RX3_P: J1.27 J5.B12 | length 21.3
  L 01 w0.1: J5.B12@60.596,97.855 60.071,97.33 60.071,93.318 67.515,85.874 67.515,80.593 67.655,80.453 J1.27@67.655,79.938